# Altium PCB higgs.PcbDoc (part 19 of 25) (continued)
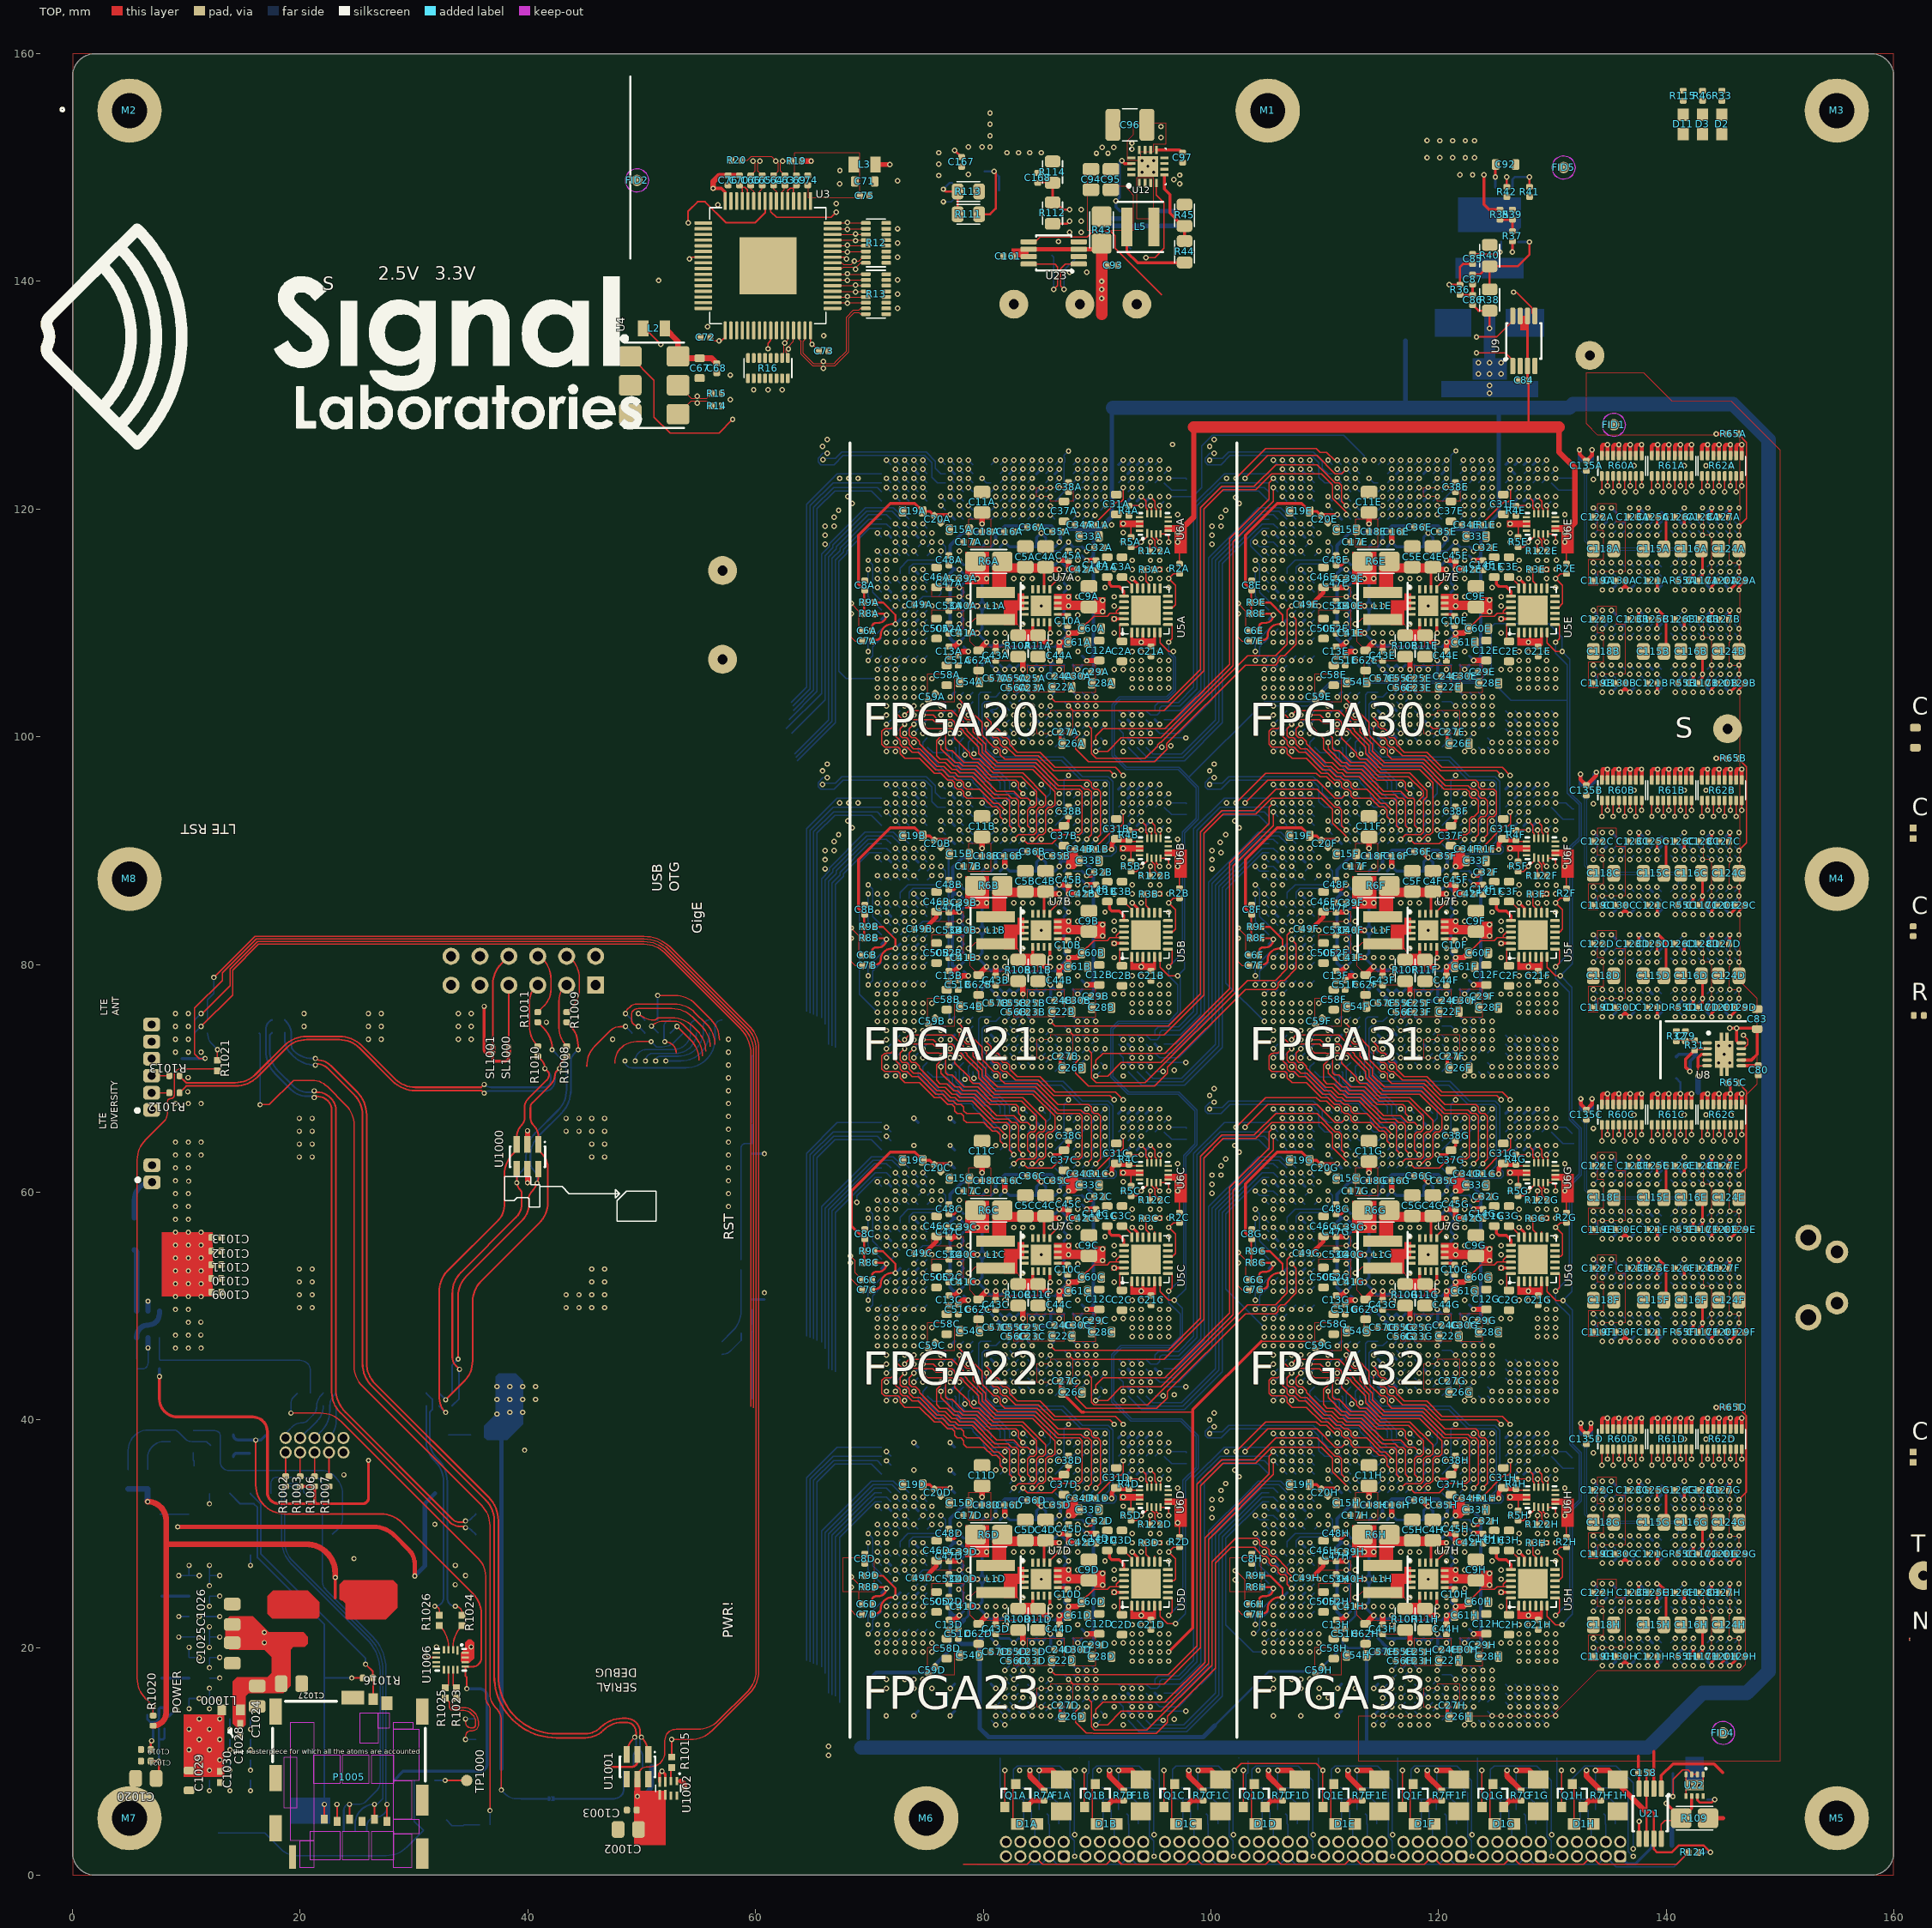
[diagram p0: TOP view]
## Nets (pads, with @x,y where several pads share a name; then routed paths per layer and width w, separated by ;. In a path a pad name is that pad's centre, name@x,y a point inside that pad or via, vN(x,y) a via of type N, cw(c..) or ccw(c..) an arc to the next point about the centre after c; other vN are vias at no path point) (continued)
  S1(V) w0.102: v1(116.7,14.8) 117.107,15.207 117.107,16.185 117.132,16.21 117.132,16.541 117.1,16.573 117.1,18.603 117.497,19 119.866,19 123.266,22.4 126.126,22.4 127.526,23.8 128.754,23.8 128.754,22.72 129.257,22.72 129.257,23.8 129.76,23.8 129.76,23.198 130.263,23.198 130.263,23.8 131.231,23.8 131.831,24.4 134.565,24.4 134.799,24.166 134.799,23.035 135.034,22.8 135.4,22.8 136.8,21.4 v1(136.8,20.8)
  BOT w0.102: v1(116.7,14.8) U1H.T30@117.1,15.2 ; v1(136.8,20.8) U14H.E7@137.2,20.4
IL34_33.LR.G1.D1_P: U1H.R30 U14H.F8 | length 33.4
  S1(V) w0.102: v1(115.9,14.8) 116.307,15.207 116.307,16.566 116.3,16.573 116.3,18.5 117.105,19.305 118.836,19.305 120.966,21.435 121.418,20.984 121.774,21.339 121.322,21.791 122.236,22.705 126,22.705 127.4,24.105 130.505,24.105 131.105,24.705 135.094,24.705 135.6,24.2 135.6,23.032 137.2,21.431 137.2,20.4 v1(137.6,20)
  BOT w0.102: v1(115.9,14.8) U1H.R30@116.3,15.2 ; v1(137.6,20) U14H.F8@138,19.6
IL34_33.LR.G1.D2_N: U1H.P32 U14H.H8 | length 34.2
  S1(V) w0.102: v1(115.1,13.2) 115.666,13.2 116.3,13.834 116.3,14.166 116.534,14.4 117.2,14.4 117.907,15.107 117.907,16 117.901,16.006 117.901,16.571 117.907,16.577 117.907,17.391 117.9,17.398 117.9,18.166 118.43,18.695 119.992,18.695 123.392,22.095 126.253,22.095 126.557,22.4 131.4,22.4 132.6,23.6 133.765,23.6 133.999,23.366 133.999,23.035 134.234,22.8 134.565,22.8 136.4,20.965 136.4,19.834 136.634,19.6 138.8,19.6 v1(139.2,20)
  BOT w0.102: v1(115.1,13.2) U1H.P32@115.5,13.6 ; v1(139.2,20) U14H.H8@139.6,19.6
IL34_33.LR.G1.D2_P: U1H.N32 U14H.F2 | length 35.6
  S1(V) w0.102: v1(114.3,13.2) 114.699,13.599 114.699,14.165 114.465,14.399 114.136,14.399 113.9,14.636 113.9,18.166 115.5,19.766 115.5,20.9 118.6,24 123.7,24 125.3,25.6 128.534,25.6 130.6,25.6 131.305,26.305 135.491,26.305 137.091,24.705 137.6,24.197 v1(137.6,24)
  BOT w0.102: v1(114.3,13.2) U1H.N32@114.7,13.6 ; v1(137.6,24) U14H.F2@138,24.4
IL34_33.LR.G1.D3_N: U1H.U30 U14H.G2 | length 34.8
  S5(V) w0.102: v1(118.3,14.8) 118.7,14.4 122.466,14.4 122.7,14.634 122.7,18.166 123.334,18.8 125.5,18.8 125.9,18.4 131.969,18.4 133.199,19.63 133.199,20.965 133.434,21.2 136.651,21.2 136.651,21.892 137.154,21.892 137.154,21.2 137.657,21.2 137.657,22.569 138.16,22.569 138.16,21.2 138.603,21.2 138.8,21.397 138.8,23.6 v1(138.4,24)
  BOT w0.102: U1H.U30@117.9,15.2 v1(118.3,14.8) ; v1(138.4,24) U14H.G2@138.8,24.4
IL34_33.LR.G1.D3_P: U1H.U31 U14H.H3 | length 35.8
  S5(V) w0.102: v1@118.3,14 118.7,13.6 122.466,13.6 123.5,14.634 123.5,18.166 123.734,18.4 125.1,18.4 125.9,17.6 131.6,17.6 132.8,18.8 134.631,18.8 134.631,19.605 135.134,19.605 135.134,18.8 135.637,18.8 135.637,19.6 136.14,19.6 136.14,18.8 136.643,18.8 136.643,19.6 137.146,19.6 137.146,18.8 138.3,18.8 138.8,19.3 138.8,20.965 139.2,21.365 v1(139.2,23.2)
  BOT w0.102: U1H.U31@117.9,14.4 118.299,14.001 v1(118.308,14.001) ; v1(139.2,23.2) U14H.H3@139.6,23.6
IL34_33.LR.G1.D4_N: R61D.5 U1H.Y30 U14G.K1 U14H.K1 | length 44.8
  TOP w0.102: v1(140.75,36) R61D.5@140.75,37.405
  S6(H) w0.102: v1(119.9,15.6) 120.3,15.2 125.1,15.2 125.5,15.6 125.5,16.8 125.9,17.2 130.6,17.2 131,16.8 138.597,16.8 141.2,19.403 141.2,25.2 v1(141.6,25.6) 142,26 142,34.2 v1(141.6,34.6) 140.75,35.451 v1(140.75,36)
  BOT w0.102: v1(119.9,15.6) U1H.Y30@120.3,15.2 ; U14H.K1@141.2,25.2 v1(141.6,25.6) ; U14G.K1@141.2,34.2 v1(141.6,34.6)
IL34_33.LR.G1.D4_P: U1H.W30 U14H.E3 | length 35
  S5(V) w0.102: v1(119.1,14.8) 119.5,15.2 120.451,15.2 120.451,14.705 120.954,14.705 120.954,15.2 121.666,15.2 121.9,15.434 121.9,18.166 122.134,18.4 122.503,18.4 123.303,19.2 124.051,19.2 124.051,19.695 124.554,19.695 124.554,19.105 125.057,19.105 125.057,19.695 125.56,19.695 125.56,19.099 126.063,19.099 126.063,19.695 126.566,19.695 126.566,19.2 131.151,19.2 131.151,19.82 131.654,19.82 131.654,19.2 132.338,19.2 132.894,19.757 132.894,22.085 133,22.191 133.754,22.191 133.754,21.581 134.257,21.581 134.257,22.191 134.76,22.191 134.76,21.581 135.263,21.581 135.263,22.191 135.766,22.191 135.766,21.581 136.269,21.581 136.269,22.191 136.591,22.191 136.8,22.4 v1(136.8,23.2)
  BOT w0.102: v1(119.1,14.8) U1H.W30@119.5,15.2 ; v1(136.8,23.2) U14H.E3@137.2,23.6
IL34_33.LR.G1.S_N: U1H.T31 U14H.G3 | length 36.4
  S5(V) w0.089: v1(117.5,14) 117.398,14.102 117.398,15.136 117.108,15.427 117.108,15.741 117.1,15.749 117.1,16.188 117.125,16.213 117.125,16.538 117.1,16.564 117.1,18.166 117.397,18.462 117.397,19.197 117.844,19.644 118.956,19.644 120.813,21.5 122.413,21.5 125.216,24.303 128.213,24.303 128.213,24.8 128.703,24.8 128.703,24.303 129.194,24.303 129.194,25.383 129.684,25.383 129.684,24.303 130.174,24.303 130.174,25.383 130.665,25.383 130.665,24.303 131.516,24.303 132.115,24.902 136.751,24.902 137.253,24.4 137.765,24.4 138,24.166 138,23.6 v1(138.4,23.2)
  BOT w0.089: U1H.T31@117.1,14.4 v1(117.5,14) ; v1(138.4,23.2) U14H.G3@138.8,23.6
IL34_33.LR.G1.S_P: U1H.R32 U14H.F3 | length 36.5
  S5(V) w0.089: v1(116.7,14) 117.1,13.6 117.334,13.6 117.666,13.6 117.8,13.6 117.9,13.7 117.9,14.166 117.602,14.464 117.602,15.136 117.666,15.201 117.673,15.201 117.908,15.435 117.908,15.766 117.9,15.774 117.9,17.052 117.908,17.06 117.908,17.392 117.9,17.399 117.9,18.166 117.6,18.466 117.6,19.113 117.928,19.44 119.04,19.44 120.3,20.7 120.897,21.297 122.497,21.297 125.3,24.1 127.135,24.1 127.135,23.3 127.626,23.3 127.626,24.1 128.116,24.1 128.116,23.3 128.606,23.3 128.606,24.1 129.097,24.1 129.097,23.3 129.587,23.3 129.587,24.1 131.6,24.1 132.199,24.699 136.667,24.699 137.2,24.166 137.2,23.706 137.193,23.7 137.193,23.607 137.2,23.6 ; 137.2,23.7 137.2,23.6 ; v1(137.6,23.2) 137.2,23.6
  BOT w0.089: U1H.R32@116.3,13.6 v1(116.7,14) ; v1(137.6,23.2) U14H.F3@138,23.6
IL34_33.LR.G2.D0_N: U1H.Y27 U14H.D7 | length 19.6
  S1(V) w0.102: v1(121.5,17.2) 121.398,17.302 121.398,18.517 122.325,19.444 123.034,19.444 124.391,20.8 131.691,20.8 132.592,21.702 135.098,21.702 v1(136,20.8)
  BOT w0.102: U1H.Y27@120.3,17.6 121.1,17.6 v1(121.5,17.2) ; v1(136,20.8) U14H.D7@136.4,20.4
IL34_33.LR.G2.D0_P: U1H.Y26 U14H.C2 | length 19.6
  S5(V) w0.102: v1(119.9,18) 119.9,18.566 122.134,20.8 123.407,20.8 125.007,22.4 131.204,22.4 133.204,24.4 134.799,24.4 v1(135.199,24)
  BOT w0.102: v1(119.9,18) U1H.Y26@120.3,18.4 ; v1(135.199,24) U14H.C2@135.599,24.4
IL34_33.LR.G2.D1_N: U1H.W28 U14H.A2 | length 19.9
  S5(V) w0.102: v1(119.9,17.2) 120.3,17.6 120.3,17.859 121.756,19.314 122.125,19.314 122.925,20.114 123.152,20.114 124.638,21.6 125.251,21.6 125.251,22.095 125.754,22.095 125.754,21.105 126.257,21.105 126.257,21.6 130.835,21.6 130.836,21.601 131.015,21.601 131.249,21.835 131.249,22.014 133.235,24 v1(133.599,24)
  BOT w0.102: U1H.W28@119.5,16.8 v1(119.9,17.2) ; v1(133.599,24) U14H.A2@133.999,24.4
IL34_33.LR.G2.D1_P: U1H.Y28 U14H.A3 | length 17.9
  S1(V) w0.102: v1(120.7,16.4) 120.7,18.25 122.45,20 122.466,20 122.961,20.495 123.295,20.495 124.4,21.6 131.999,21.6 v1(133.599,23.2)
  BOT w0.102: U1H.Y28@120.3,16.8 v1(120.7,16.4) ; v1(133.599,23.2) U14H.A3@133.999,23.6
IL34_33.LR.G2.D2_N: U1H.W29 U14H.C3 | length 19.7
  S5(V) w0.102: v1(119.9,16.4) 120.605,17.105 120.605,17.733 121.882,19.01 122.251,19.01 123.051,19.81 123.279,19.81 123.774,20.305 124.705,20.305 125.2,20.8 130.466,20.8 130.962,21.296 131.142,21.296 131.554,21.708 131.554,21.888 132.466,22.8 134.799,22.8 v1(135.199,23.2)
  BOT w0.102: U1H.W29@119.5,16 v1(119.9,16.4) ; v1(135.199,23.2) U14H.C3@135.599,23.6
IL34_33.LR.G2.D2_P: U1H.Y29 U14H.D3 | length 21
  S5(V) w0.102: v1(120.7,15.6) 121.1,16 121.1,17.797 122.008,18.705 122.377,18.705 123.177,19.505 123.405,19.505 123.9,20 130.466,20 130.7,20.234 130.7,20.603 131.088,20.991 131.268,20.991 131.859,21.582 131.859,21.762 132.592,22.495 135.295,22.495 v1(136,23.2)
  BOT w0.102: U1H.Y29@120.3,16 v1(120.7,15.6) ; v1(136,23.2) U14H.D3@136.4,23.6
IL34_33.LR.G2.D3_N: U1H.AC27 U14H.C8 | length 18.2
  S1(V) w0.102: v1(123.1,17.2) 123.5,16.8 125.099,16.8 125.099,17.295 130.005,17.295 130.5,16.8 131.854,16.8 131.854,16.305 132.357,16.305 132.357,17.295 132.86,17.295 132.86,16.8 133.365,16.8 134.799,18.234 134.799,19.6 v1(135.199,20)
  BOT w0.102: U1H.AC27@122.7,17.6 v1(123.1,17.2) ; v1(135.199,20) U14H.C8@135.599,19.6
IL34_33.LR.G2.D3_P: U1H.AB26 U14H.A7 | length 17.3
  S1(V) w0.102: v1(122.3,18) 122.7,18.4 131.199,18.4 131.755,18.955 132.384,18.326 132.74,18.682 132.111,19.311 132.043,19.378 132.399,19.734 132.466,19.667 133.095,19.038 133.451,19.393 132.822,20.022 v1(133.599,20.8)
  BOT w0.102: U1H.AB26@121.9,18.4 v1(122.3,18) ; v1(133.599,20.8) U14H.A7@133.999,20.4
IL34_33.LR.G2.D4_N: R61D.3 U1H.AD26 U14G.J3 U14H.J3 | length 42.5
  TOP w0.102: v1(139.75,36) R61D.3@139.75,37.405
  S5(V) w0.102: v1(123.9,18) 124.3,17.6 125.469,17.6 125.774,17.295 130.77,17.295 130.866,17.2 132.131,17.2 132.131,17.4 132.794,17.4 132.794,17 133.457,17 133.457,17.4 134.12,17.4 134.12,17 134.783,17 134.783,17.4 135.446,17.4 135.446,17 136.109,17 136.109,17.4 136.772,17.4 136.772,17 137.435,17 137.435,17.4 138.098,17.4 138.098,17.2 139.1,17.2 140.4,18.5 140.4,19.2 140.4,22.8 v1(140.8,23.2) 141.2,23.6 141.2,31.8 v1(140.8,32.2) 140.4,32.6 140.4,34.531 139.75,35.181 139.75,35.95 v1@139.8,36
  BOT w0.102: U1H.AD26@123.5,18.4 v1(123.9,18) ; U14H.J3@140.4,23.6 v1(140.8,23.2) ; U14G.J3@140.4,32.6 v1(140.8,32.2)
IL34_33.LR.G2.D4_P: U1H.AC26 U14H.B8 | length 18.4
  S1(V) w0.102: v1(123.1,18) 123.5,17.6 130.951,17.6 130.951,17.105 131.454,17.105 131.454,18.224 131.957,18.224 131.957,17.6 132.6,17.6 133.134,18.134 133.649,17.618 134.005,17.973 133.489,18.489 133.233,18.745 133.589,19.101 133.845,18.845 134.399,19.399 v1(134.399,20)
  BOT w0.102: U1H.AC26@122.7,18.4 v1(123.1,18) ; v1(134.399,20) U14H.B8@134.799,19.6
IL34_33.LR.G2.S_N: U1H.AB27 U14H.B7 | length 17.3
  S1(V) w0.089: v1@122.2,17.3 122.2,17.503 121.9,17.803 121.9,18.166 121.903,18.169 121.903,18.313 122.533,18.942 123.242,18.942 123.798,19.498 126.636,19.498 126.934,19.2 130.466,19.2 130.766,19.5 131.1,19.5 132.12,20.52 132.417,20.223 132.763,20.57 132.467,20.867 132.8,21.2 133.999,21.2 v1(134.399,20.8)
  S2(H) w0.089: v1@122.256,17.2 v1(122.3,17.2)
  BOT w0.089: U1H.AB27@121.9,17.6 v1(122.3,17.2) ; v1(134.399,20.8) U14H.B7@134.799,20.4
IL34_33.LR.G2.S_P: U1H.AB28 U14H.C7 | length 18.6
  S1(V) w0.089: v1(122.3,16.4) 121.9,16.8 121.9,17.516 121.697,17.719 121.697,18.394 121.952,18.648 122.449,19.145 123.158,19.145 123.714,19.702 126.636,19.702 126.934,20 130.466,20 130.762,19.703 131.016,19.703 132.716,21.403 134.596,21.403 v1(135.199,20.8)
  BOT w0.089: U1H.AB28@121.9,16.8 v1(122.3,16.4) ; v1(135.199,20.8) U14H.C7@135.599,20.4
IL34_33.LR.G3.D0_N: U1H.AB29 U14G.E7 | length 34.6
  S6(H) w0.102: v1(121.5,16.4) 121.1,16.8 121.1,18.203 124.497,21.6 131.051,21.6 131.051,21.637 131.504,22.09 131.554,22.09 131.554,21.11 132.057,21.11 132.057,22.09 132.56,22.09 132.56,21.261 133.063,21.261 133.063,22.09 133.566,22.09 133.566,21.6 134.069,21.6 134.069,22.09 134.572,22.09 134.572,21.6 134.965,21.6 136.4,23.035 136.4,24.752 135.91,24.752 135.91,25.255 136.4,25.255 136.4,25.758 135.91,25.758 135.91,26.261 136.4,26.261 136.4,29.4 v1(136.8,29.8)
  BOT w0.102: v1(121.5,16.4) U1H.AB29@121.9,16 ; v1(136.8,29.8) U14G.E7@137.2,29.4
IL34_33.LR.G3.D0_P: U1H.AB30 U14G.F7 | length 34.9
  S6(H) w0.102: v1(122.3,15.6) 121.9,16 121.9,18.572 124.128,20.8 124.437,20.8 124.437,21.109 124.94,21.109 124.94,20.8 125.443,20.8 125.443,21.295 125.946,21.295 125.946,20.8 128.546,20.8 128.546,21.295 129.048,21.295 129.048,20.8 133.034,20.8 133.529,21.295 135.695,21.295 136.111,21.711 135.809,22.013 136.165,22.368 136.466,22.067 137.2,22.8 137.2,24.646 136.704,24.646 136.704,25.149 137.2,25.149 137.2,26.346 136.704,26.346 136.704,26.849 137.2,26.849 137.2,27.946 136.704,27.946 136.704,28.449 137.2,28.449 137.2,29.4 v1(137.6,29.8)
  BOT w0.102: U1H.AB30@121.9,15.2 v1(122.3,15.6) ; v1(137.6,29.8) U14G.F7@138,29.4
IL34_33.LR.G3.D1_N: U1H.AD29 U14G.H7 | length 36.5
  S6(H) w0.102: v1(123.9,16.4) 123.5,16.8 123.5,18.166 124.534,19.2 130.466,19.2 130.865,19.6 133.522,19.6 133.522,19.021 134.025,19.021 134.025,19.6 134.528,19.6 134.528,19.2 135.031,19.2 135.031,19.6 135.534,19.6 135.534,19.2 136.037,19.2 136.037,19.6 136.54,19.6 136.54,19.2 137.043,19.2 137.043,19.6 137.546,19.6 137.546,19.2 138.048,19.2 138.048,19.6 138.6,19.6 138.8,19.8 138.8,24.646 139.295,24.646 139.295,25.149 138.8,25.149 138.8,26.346 139.295,26.346 139.295,26.849 138.8,26.849 138.8,27.946 139.295,27.946 139.295,28.449 138.8,28.449 138.8,29.4 v1(139.2,29.8)
  BOT w0.102: U1H.AD29@123.5,16 v1(123.9,16.4) ; v1(139.2,29.8) U14G.H7@139.6,29.4
IL34_33.LR.G3.D1_P: U1H.AC28 U14G.F8 | length 35
  S6(H) w0.102: v1(123.1,16.4) 122.7,16.8 122.7,18.7 124,20 130.466,20 130.865,20.4 132.246,20.4 132.246,19.904 132.749,19.904 132.749,20.4 137.765,20.4 138,20.634 138,21.443 136.82,21.443 136.82,21.946 138.495,21.946 138.495,22.449 138,22.449 138,24.646 138.495,24.646 138.495,25.149 138,25.149 138,26.043 137.505,26.043 137.505,26.546 138.208,26.546 138.208,27.049 138,27.049 138,28.6 v1(137.6,29)
  BOT w0.102: U1H.AC28@122.7,16.8 v1(123.1,16.4) ; v1(137.6,29) U14G.F8@138,28.6
IL34_33.LR.G3.D2_N: U1H.Y32 U14G.E3 | length 33.6
  S2(H) w0.102: v1(121.5,15.6) 121.1,16 121.1,17.366 124.534,20.8 130.466,20.8 131.566,21.901 132.132,21.335 132.488,21.691 131.922,22.256 132.466,22.8 136.165,22.8 136.4,23.035 136.4,31.8 v1(136.8,32.2)
  BOT w0.102: U1H.Y32@120.3,13.6 121.1,14.4 121.1,15.2 v1(121.5,15.6) ; v1(136.8,32.2) U14G.E3@137.2,32.6
IL34_33.LR.G3.D2_P: U1H.W31 U14G.H3 | length 35.3
  S2(H) w0.102: v1(119.9,14.8) 120.3,14.4 123.7,14.4 124.501,15.201 124.913,15.201 125.099,15.387 125.099,16.564 126.136,17.6 130.8,17.6 132.495,19.295 134.26,19.295 134.799,19.834 134.799,20.965 135.229,21.395 137.961,21.395 139.6,23.035 139.6,31.8 v1(139.2,32.2)
  BOT w0.102: U1H.W31@119.5,14.4 v1(119.9,14.8) ; v1(139.2,32.2) U14G.H3@139.6,32.6
IL34_33.LR.G3.D3_N: U1H.AE30 U14G.F2 | length 35.7
  S6(H) w0.102: v1(124.7,15.6) 125.1,16 125.1,16.3 125.1,17 125.7,17.6 134.851,17.6 134.851,18 135.354,18 135.354,17.105 135.857,17.105 135.857,17.6 138.166,17.6 138.8,18.234 138.8,18.603 139.905,19.708 139.905,32.061 139.366,32.6 138,32.6 v1(137.6,33)
  BOT w0.102: U1H.AE30@124.3,15.2 v1(124.7,15.6) ; v1(137.6,33) U14G.F2@138,33.4
IL34_33.LR.G3.D3_P: U1H.AD30 U14G.H8 | length 35.3
  S6(H) w0.102: v1(123.9,15.6) 124.3,16 124.3,17.366 124.534,17.6 125.1,17.6 125.9,18.4 131.051,18.4 131.051,19.295 131.554,19.295 131.554,17.905 132.057,17.905 132.057,19.295 132.56,19.295 132.56,17.905 133.063,17.905 133.063,18.4 133.834,18.4 134.329,18.895 138.661,18.895 139.6,19.834 139.6,21.552 139.105,21.552 139.105,22.055 139.6,22.055 139.6,28.6 v1(139.2,29)
  BOT w0.102: U1H.AD30@123.5,15.2 v1(123.9,15.6) ; v1(139.2,29) U14G.H8@139.6,28.6
IL34_33.LR.G3.D4_N: R61D.7 U1H.AE31 U14G.L2 U14H.L2 | length 47.6
  TOP w0.102: v1(141.75,36) R61D.7@141.75,37.405
  S2(H) w0.102: v1(124.7,14) v1(124.7,14)
  S6(H) w0.102: v1(124.7,14) 125.901,15.201 125.901,16.565 126.135,16.799 127.265,16.799 127.499,16.565 127.499,16.237 127.736,16 131.231,16 131.231,16.33 131.694,16.33 131.694,16 132.157,16 132.157,16.33 132.62,16.33 132.62,16 133.083,16 133.083,16.33 133.546,16.33 133.546,16 134.009,16 134.009,16.33 134.472,16.33 134.472,16 134.935,16 134.935,16.33 135.398,16.33 135.398,16 135.861,16 135.861,16.33 136.324,16.33 136.324,16 136.787,16 136.787,16.33 137.25,16.33 137.25,16 137.713,16 137.713,16.33 138.176,16.33 138.176,16 139.766,16 142,18.234 142,18.3 142,23.6 v1(142.4,24) 142.8,24.4 142.8,32.6 v1(142.4,33) 142.4,34.366 141.75,35.016 v1(141.75,36)
  BOT w0.102: U1H.AE31@124.3,14.4 v1(124.7,14) ; U14H.L2@142,24.4 v1(142.4,24) ; U14G.L2@142,33.4 v1(142.4,33)
IL34_33.LR.G3.D4_P: U1H.AC31 U14G.G2 | length 33.5
  S2(H) w0.102: v1(123.1,14.8) 123.664,14.8 124.299,15.435 124.299,15.599 124.3,15.6 124.3,16.566 124.534,16.8 124.866,16.8 125.1,17.034 125.1,17.7 125.8,18.4 130.3,18.4 130.606,18.4 133.906,21.7 137.709,21.7 138.8,22.791 138.8,26.146 139.295,26.146 139.295,26.649 138.8,26.649 138.8,30.846 139.295,30.846 139.295,31.349 138.8,31.349 138.8,32.6 v1(138.4,33)
  BOT w0.102: U1H.AC31@122.7,14.4 v1(123.1,14.8) ; v1(138.4,33) U14G.G2@138.8,33.4
IL34_33.LR.G3.S_N: U1H.AB31 U14G.G3 | length 33.3
  S2(H) w0.089: v1(122.3,14.8) 122.7,15.2 123.266,15.2 123.5,15.434 123.5,18.166 123.2,18.466 123.2,18.7 123.998,19.498 125.845,19.498 126.143,19.2 130.466,19.2 130.766,19.5 131.284,19.5 133.784,22 137.3,22 137.701,22.401 137.701,22.745 138,23.044 138,24.166 137.701,24.464 137.701,25.136 138,25.435 138,25.766 137.701,26.064 137.701,26.936 138,27.234 138,27.565 137.701,27.864 137.701,28.536 138,28.834 138,29.965 137.703,30.262 137.703,30.818 138.101,31.216 138.101,31.902 v1(138.4,32.2)
  BOT w0.089: U1H.AB31@121.9,14.4 v1(122.3,14.8) ; v1(138.4,32.2) U14G.G3@138.8,32.6
IL34_33.LR.G3.S_P: U1H.AC30 U14G.F3 | length 33.1
  S2(H) w0.089: v1(123.1,15.6) 122.7,16 122.7,18.166 122.997,18.462 122.997,18.784 123.914,19.702 124.445,19.702 124.445,20.289 124.935,20.289 124.935,19.702 125.845,19.702 126.143,20 130.466,20 130.762,19.703 131.2,19.703 133.7,22.203 137.216,22.203 137.498,22.486 137.498,22.745 137.2,23.044 137.2,24.166 137.498,24.464 137.498,25.136 137.2,25.435 137.2,25.766 137.498,26.064 137.498,26.936 137.2,27.234 137.2,27.565 137.498,27.864 137.498,28.536 137.2,28.834 137.2,29.965 137.5,30.266 137.5,30.902 137.898,31.3 137.898,31.902 v1(137.6,32.2)
  BOT w0.089: U1H.AC30@122.7,15.2 v1(123.1,15.6) ; v1(137.6,32.2) U14G.F3@138,32.6
IL34_33.TB.G8.D0_N: R60D.4 U1H.AG29 U14G.N7 U14H.N7 | length 49.9
  TOP w0.102: v1(135.85,36.55) R60D.4@135.85,37.405
  S1(V) w0.102: v1@135.904,36.55 135.904,33.996 136.4,33.5 136.4,31.8 137.391,30.809 142.991,30.809 v1(144,29.8)
  S2(H) w0.102: v1(126.3,15.6) 126.7,15.2 128.866,15.2 129.1,14.966 129.1,14.634 129.334,14.4 139.766,14.4 140.244,14.878 140.075,15.048 140.43,15.403 140.6,15.234 140.956,15.589 140.786,15.759 141.142,16.115 141.311,15.945 142.6,17.234 142.303,17.531 142.659,17.886 142.956,17.589 143.6,18.234 143.6,18.852 143.351,18.852 143.351,19.355 143.6,19.355 143.6,20.4 v1(144,20.8) 144.4,21.2 144.4,29.4 v1(144,29.8)
  BOT w0.102: U1H.AG29@125.9,16 v1(126.3,15.6) ; U14H.N7@143.6,20.4 v1(144,20.8) ; U14G.N7@143.6,29.4 v1(144,29.8)
IL34_33.TB.G8.D0_P: R62D.3 U1H.AG28 U14G.N2 U14H.N2 | length 42.9
  TOP w0.102: v1(144.15,36) R62D.3@144.15,37.405
  S6(H) w0.102: v1(126.3,16.4) 126.7,16 126.7,15.434 126.934,15.2 130.7,15.2 131.1,14.8 132.231,14.8 132.231,14.98 132.894,14.98 132.894,14.6 133.557,14.6 133.557,14.98 134.22,14.98 134.22,14.6 134.883,14.6 134.883,14.8 140.166,14.8 143.6,18.234 143.6,23.6 v1(144,24) 144.4,24.4 144.4,32.6 v1(144,33) 144.4,33.4 144.4,35.3 144.15,35.55 v1(144.15,36)
  BOT w0.102: U1H.AG28@125.9,16.8 v1(126.3,16.4) ; U14H.N2@143.6,24.4 v1(144,24) ; U14G.N2@143.6,33.4 v1(144,33)
IL34_33.TB.G8.D1_N: R60D.8 U1H.AH28 U14G.R7 U14H.R7 | length 51.2
  TOP w0.102: v1(137.85,36.55) R60D.8@137.85,37.405
  S1(V) w0.102: v1@137.9,36.55 137.85,36.5 137.85,35.95 138.8,35 138.8,34.3 140.5,32.6 144.166,32.6 144.4,32.366 144.4,31.631 145.601,30.431 v1(145.601,29.8)
  S2(H) w0.102: v1(127.1,16.4) 126.699,15.999 126.135,15.999 125.901,15.765 125.901,14.635 126.135,14.401 127.735,14.401 ; v1(145.601,29.8) 146.001,29.4 146.001,21.2 v1(145.601,20.8) 145.201,20.4 145.201,18.4 145.201,18.234 140.567,13.6 129.334,13.6 129.1,13.834 129.1,14.166 128.866,14.4 127.736,14.4 ; 127.735,14.401 127.736,14.4
  BOT w0.102: U1H.AH28@126.7,16.8 v1(127.1,16.4) ; U14H.R7@145.201,20.4 v1(145.601,20.8) ; U14G.R7@145.201,29.4 v1(145.601,29.8)
IL34_33.TB.G8.D1_P: R61D.6 U1H.AJ28 U14G.L3 U14H.L3 | length 43.2
  TOP w0.102: v1(141.25,36.55) R61D.6@141.25,37.405
  S5(V) w0.102: v1(127.9,16.4) 128.3,16 131.251,16 131.251,15.635 131.754,15.635 131.754,16 132.257,16 132.257,15.635 132.76,15.635 132.76,16 133.263,16 133.263,15.635 133.766,15.635 133.766,16 134.269,16 134.269,15.635 134.772,15.635 134.772,16 135.275,16 135.275,15.635 135.778,15.635 135.778,16 136.281,16 136.281,15.635 136.784,15.635 136.784,16 137.287,16 137.287,15.635 137.79,15.635 137.79,16 139.766,16 140.3,16.534 140.484,16.349 140.84,16.705 140.655,16.889 141.011,17.245 141.196,17.06 141.551,17.416 141.367,17.601 142,18.234 142,22.8 v1(142.4,23.2) 142.8,23.6 142.8,31.8 v1(142.4,32.2) 142,32.6 142,34.9 141.25,35.65 v1(141.25,36.55)
  BOT w0.102: U1H.AJ28@127.5,16.8 v1(127.9,16.4) ; U14H.L3@142,23.6 v1(142.4,23.2) ; U14G.L3@142,32.6 v1(142.4,32.2)
IL34_33.TB.G8.D2_N: R62D.7 U1H.AG30 U14G.R2 U14H.R2 | length 43.3
  TOP w0.102: v1(146.15,36) R62D.7@146.15,37.405
  S6(H) w0.102: v1(126.3,14.8) 126.7,14.4 126.7,13.834 126.935,13.599 127.265,13.599 127.289,13.575 127.711,13.575 127.735,13.599 128.065,13.599 128.089,13.575 128.511,13.575 128.535,13.599 128.865,13.599 128.889,13.575 129.311,13.575 129.335,13.599 129.665,13.599 129.689,13.575 140.542,13.575 145.201,18.234 145.201,23.6 v1(145.601,24) 146.001,24.4 146.001,32.6 v1(145.601,33) 146.001,33.4 146.001,35.501 146.15,35.65 v1(146.15,36)
  BOT w0.102: U1H.AG30@125.9,15.2 v1(126.3,14.8) ; U14H.R2@145.201,24.4 v1(145.601,24) ; U14G.R2@145.201,33.4 v1(145.601,33)
IL34_33.TB.G8.D2_P: R62D.2 U1H.AH30 U14G.N3 U14H.N3 | length 43
  TOP w0.102: v1(143.65,36.55) R62D.2@143.65,37.405
  S5(V) w0.102: v1(127.1,14.8) 127.5,14.4 134.031,14.4 134.031,14.525 134.694,14.525 134.694,14.03 135.357,14.03 135.357,14.525 136.02,14.525 136.02,14.03 136.683,14.03 136.683,14.525 137.346,14.525 137.346,14.03 138.009,14.03 138.009,14.525 138.672,14.525 138.672,14.4 139.766,14.4 143.6,18.234 143.6,22.8 v1(144,23.2) 144.4,23.6 144.4,31.8 v1(144,32.2) 143.6,32.6 143.6,36.5 v1(143.65,36.55)
  BOT w0.102: U1H.AH30@126.7,15.2 v1(127.1,14.8) ; U14H.N3@143.6,23.6 v1(144,23.2) ; U14G.N3@143.6,32.6 v1(144,32.2)
IL34_33.TB.G8.D3_N: R60D.5 U1H.AK30 U14G.P8 U14H.P8 | length 50.4
  TOP w0.102: v1(136.35,36) R60D.5@136.35,37.405
  S1(V) w0.102: v1(128.7,14.8) 129.1,14.4 131.516,14.4 131.516,14.59 132.149,14.59 132.149,14.21 132.782,14.21 132.782,14.59 133.415,14.59 133.415,14.21 134.048,14.21 134.048,14.59 134.681,14.59 134.681,14.21 135.314,14.21 135.314,14.59 135.947,14.59 135.947,14.21 136.58,14.21 136.58,14.59 137.213,14.59 137.213,14.21 137.846,14.21 137.846,14.59 138.479,14.59 138.479,14.21 139.112,14.21 139.112,14.4 140.567,14.4 144.4,18.234 144.4,19.6 v1(144.801,20) 145.201,20.4 145.201,28.6 v1(144.801,29) 144.801,29.234 144.401,29.634 144.401,29.9 144.4,30.2 143.486,31.114 137.517,31.114 137.2,31.431 137.2,33.3 136.35,34.15 v1(136.35,36)
  BOT w0.102: U1H.AK30@128.3,15.2 v1(128.7,14.8) ; U14H.P8@144.401,19.6 v1(144.801,20) ; U14G.P8@144.401,28.6 v1(144.801,29)
IL34_33.TB.G8.D3_P: R61D.8 U1H.AK29 U14G.M3 U14H.M3 | length 43
  TOP w0.102: v1(142.25,36.55) R61D.8@142.25,37.405
  S5(V) w0.102: v1(128.7,15.6) 129.1,15.2 131.531,15.2 131.531,15.33 132.194,15.33 132.194,14.83 132.857,14.83 132.857,15.33 133.52,15.33 133.52,14.83 134.183,14.83 134.183,15.33 134.846,15.33 134.846,14.83 135.509,14.83 135.509,15.33 136.172,15.33 136.172,14.83 136.835,14.83 136.835,15.33 137.498,15.33 137.498,14.83 138.161,14.83 138.161,15.57 138.824,15.57 138.824,15.2 139.766,15.2 142.8,18.234 142.8,22.8 v1(143.2,23.2) 143.6,23.6 143.6,31.8 v1(143.2,32.2) 142.8,32.6 142.8,34.384 142.7,34.484 142.7,36.1 v1(142.25,36.55)
  BOT w0.102: U1H.AK29@128.3,16 v1(128.7,15.6) ; U14H.M3@142.8,23.6 v1(143.2,23.2) ; U14G.M3@142.8,32.6 v1(143.2,32.2)
IL34_33.TB.G13.C_N: R64D.2 U1H.AE32 U14G.K7 U14H.K7 | length 60
  S2(H) w0.089: v1(124.7,13.2) 124.3,13.6 124.3,14.166 124.534,14.4 124.822,14.4 125.601,15.179 125.601,16.356 126.242,16.997 129.703,16.997 129.9,16.8 129.9,16.1 130,16 130.466,16 130.762,16.297 131.268,16.297 131.328,16.356 131.328,16.627 131.775,16.627 131.775,16.026 131.835,15.967 132.569,15.967 132.628,16.026 132.628,16.627 133.076,16.627 133.076,16.026 133.135,15.967 133.87,15.967 133.929,16.026 133.929,16.627 134.376,16.627 134.376,16.026 134.436,15.967 135.17,15.967 135.23,16.026 135.23,16.627 135.677,16.627 135.677,16.026 135.736,15.967 136.471,15.967 136.53,16.026 136.53,16.627 136.977,16.627 136.977,16.026 137.037,15.967 137.771,15.967 137.831,16.026 137.831,16.627 138.278,16.627 138.278,16.026 138.337,15.967 139.072,15.967 139.131,16.026 139.131,16.297 139.736,16.297 140.88,17.441 140.88,17.914 141.2,18.234 141.2,20.4 v1(141.6,20.8) 141.302,21.098 141.302,21.5 141.7,21.898 141.7,22 141.702,22.002 141.702,22.736 142,23.035 142,24.166 141.702,24.464 141.702,25.136 142,25.435 142,25.766 141.702,26.064 141.702,26.936 142,27.234 142,27.565 141.702,27.864 141.702,28.536 142,28.834 142,29.4 v1(141.6,29.8)
  BOT w0.089: R64D.2@133.4,37.855 133.052,37.507 133.052,31.748 133.696,31.103 140.683,31.103 141.302,30.484 141.302,30.098 v1(141.6,29.8) U14G.K7@141.2,29.4 ; U14H.K7@141.2,20.4 v1(141.6,20.8)
  BOT w0.102: U1H.AE32@124.3,13.6 v1(124.7,13.2)
IL34_33.TB.G13.C_P: R63D.2 U1H.AD32 U14G.J7 U14H.J7 | length 59.2
  S2(H) w0.089: v1(123.9,13.2) 123.9,14.1 124.403,14.603 124.738,14.603 125.398,15.263 125.398,16.44 126.158,17.2 130.066,17.2 130.766,16.5 131.125,16.5 131.125,16.77 131.184,16.83 131.919,16.83 131.978,16.77 131.978,16.17 132.425,16.17 132.425,16.77 132.485,16.83 133.219,16.83 133.279,16.77 133.279,16.17 133.726,16.17 133.726,16.77 133.785,16.83 134.52,16.83 134.579,16.77 134.579,16.17 135.026,16.17 135.026,16.77 135.086,16.83 135.82,16.83 135.88,16.77 135.88,16.17 136.327,16.17 136.327,16.77 136.387,16.83 137.121,16.83 137.181,16.77 137.181,16.17 137.628,16.17 137.628,16.77 137.687,16.83 138.422,16.83 138.481,16.77 138.481,16.17 138.928,16.17 138.928,16.44 138.988,16.5 139.652,16.5 140.677,17.525 140.677,17.957 140.4,18.234 140.4,20.4 v1(140.8,20.8) 141.098,21.098 141.098,21.584 141.497,21.982 141.497,22.084 141.499,22.086 141.499,22.736 141.2,23.035 141.2,24.166 141.499,24.464 141.499,25.136 141.2,25.435 141.2,25.766 141.499,26.064 141.499,26.936 141.2,27.234 141.2,27.565 141.499,27.864 141.499,28.536 141.2,28.834 141.2,29.4 v1(140.8,29.8)
  BOT w0.089: R63D.2@132.5,37.855 132.848,37.507 132.848,31.663 133.612,30.9 140.598,30.9 141.098,30.4 141.098,30.098 v1(140.8,29.8) U14G.J7@140.4,29.4 ; U14H.J7@140.4,20.4 v1(140.8,20.8)
  BOT w0.102: U1H.AD32@123.5,13.6 v1(123.9,13.2)
IL34_33.TB.G13.D0_N: R62D.1 U1H.AM29 U14G.M2 U14H.M2 | length 42.9
  TOP w0.102: v1(143.15,36) R62D.1@143.15,37.405
  S6(H) w0.102: v1(130.3,15.6) 131.331,15.6 131.331,15.695 131.794,15.695 131.794,15.285 132.257,15.285 132.257,15.695 132.72,15.695 132.72,15.285 133.183,15.285 133.183,15.695 133.646,15.695 133.646,15.285 134.109,15.285 134.109,15.695 134.572,15.695 134.572,15.258 135.035,15.258 135.035,15.695 135.498,15.695 135.498,15.16 135.961,15.16 135.961,15.695 136.424,15.695 136.424,15.16 136.887,15.16 136.887,15.695 137.35,15.695 137.35,15.16 137.813,15.16 137.813,15.695 138.276,15.695 138.276,15.16 138.739,15.16 138.739,15.6 140.166,15.6 142.8,18.234 142.8,23.6 v1(143.2,24) 143.6,24.4 143.6,32.6 v1(143.2,33) 143.6,33.4 143.6,34.984 143.15,35.434 v1(143.15,36)
  BOT w0.102: U1H.AM29@129.9,16 v1(130.3,15.6) ; U14H.M2@142.8,24.4 v1(143.2,24) ; U14G.M2@142.8,33.4 v1(143.2,33)
IL34_33.TB.G13.D0_P: R61D.4 U1H.AM28 U14G.K3 U14H.K3 | length 43.2
  TOP w0.102: v1(140.25,36.55) R61D.4@140.25,37.405
  S5(V) w0.102: v1(130.3,16.4) 131.199,16.4 131.199,16.305 131.532,16.305 131.532,16.495 131.865,16.495 131.865,16.305 132.198,16.305 132.198,16.495 132.531,16.495 132.531,16.305 132.864,16.305 132.864,16.495 133.197,16.495 133.197,16.305 133.53,16.305 133.53,16.495 133.863,16.495 133.863,16.305 134.196,16.305 134.196,16.495 134.529,16.495 134.529,16.305 134.862,16.305 134.862,16.495 135.195,16.495 135.195,16.305 135.528,16.305 135.528,16.495 135.861,16.495 135.861,16.305 136.194,16.305 136.194,16.495 136.527,16.495 136.527,16.305 136.86,16.305 136.86,16.495 137.193,16.495 137.193,16.305 137.526,16.305 137.526,16.495 137.859,16.495 137.859,16.305 138.192,16.305 138.192,16.495 138.525,16.495 138.525,16.305 138.858,16.305 138.858,16.4 139.366,16.4 139.719,16.753 139.554,16.918 139.79,17.154 140.139,16.804 140.375,17.04 140.025,17.389 140.261,17.625 140.61,17.275 140.846,17.511 140.661,17.695 141.2,18.234 141.2,19.092 140.705,19.092 140.705,19.295 141.2,19.295 141.2,21.48 141.58,21.48 141.58,21.733 140.82,21.733 140.82,21.986 141.58,21.986 141.58,22.239 141.2,22.239 141.2,22.8 v1(141.6,23.2) 142,23.6 142,31.8 v1(141.6,32.2) 141.2,32.6 141.2,34.4 140.25,35.35 v1(140.25,36.55)
  BOT w0.102: U1H.AM28@129.9,16.8 v1(130.3,16.4) ; U14H.K3@141.2,23.6 v1(141.6,23.2) ; U14G.K3@141.2,32.6 v1(141.6,32.2)